# Altium PCB fMAX_MB.PcbDoc (part 13 of 13)
Units mil, origin at the board's own origin, x right, y up, seen from the top; angles counter-clockwise.
Board outline 9175 x 6300 mil, 14 copper layers (TopLayer, Gnd1, MidLayer1, Power1, MidLayer4, Power2, MidLayer2, Power3, MidLayer3, Gnd3, MidLayer6, Gnd2, MidLayer5, BottomLayer); 679 components, 896 nets, 4133 pads, 2341 vias.
Unrouted connection lines stored in the file: 4.
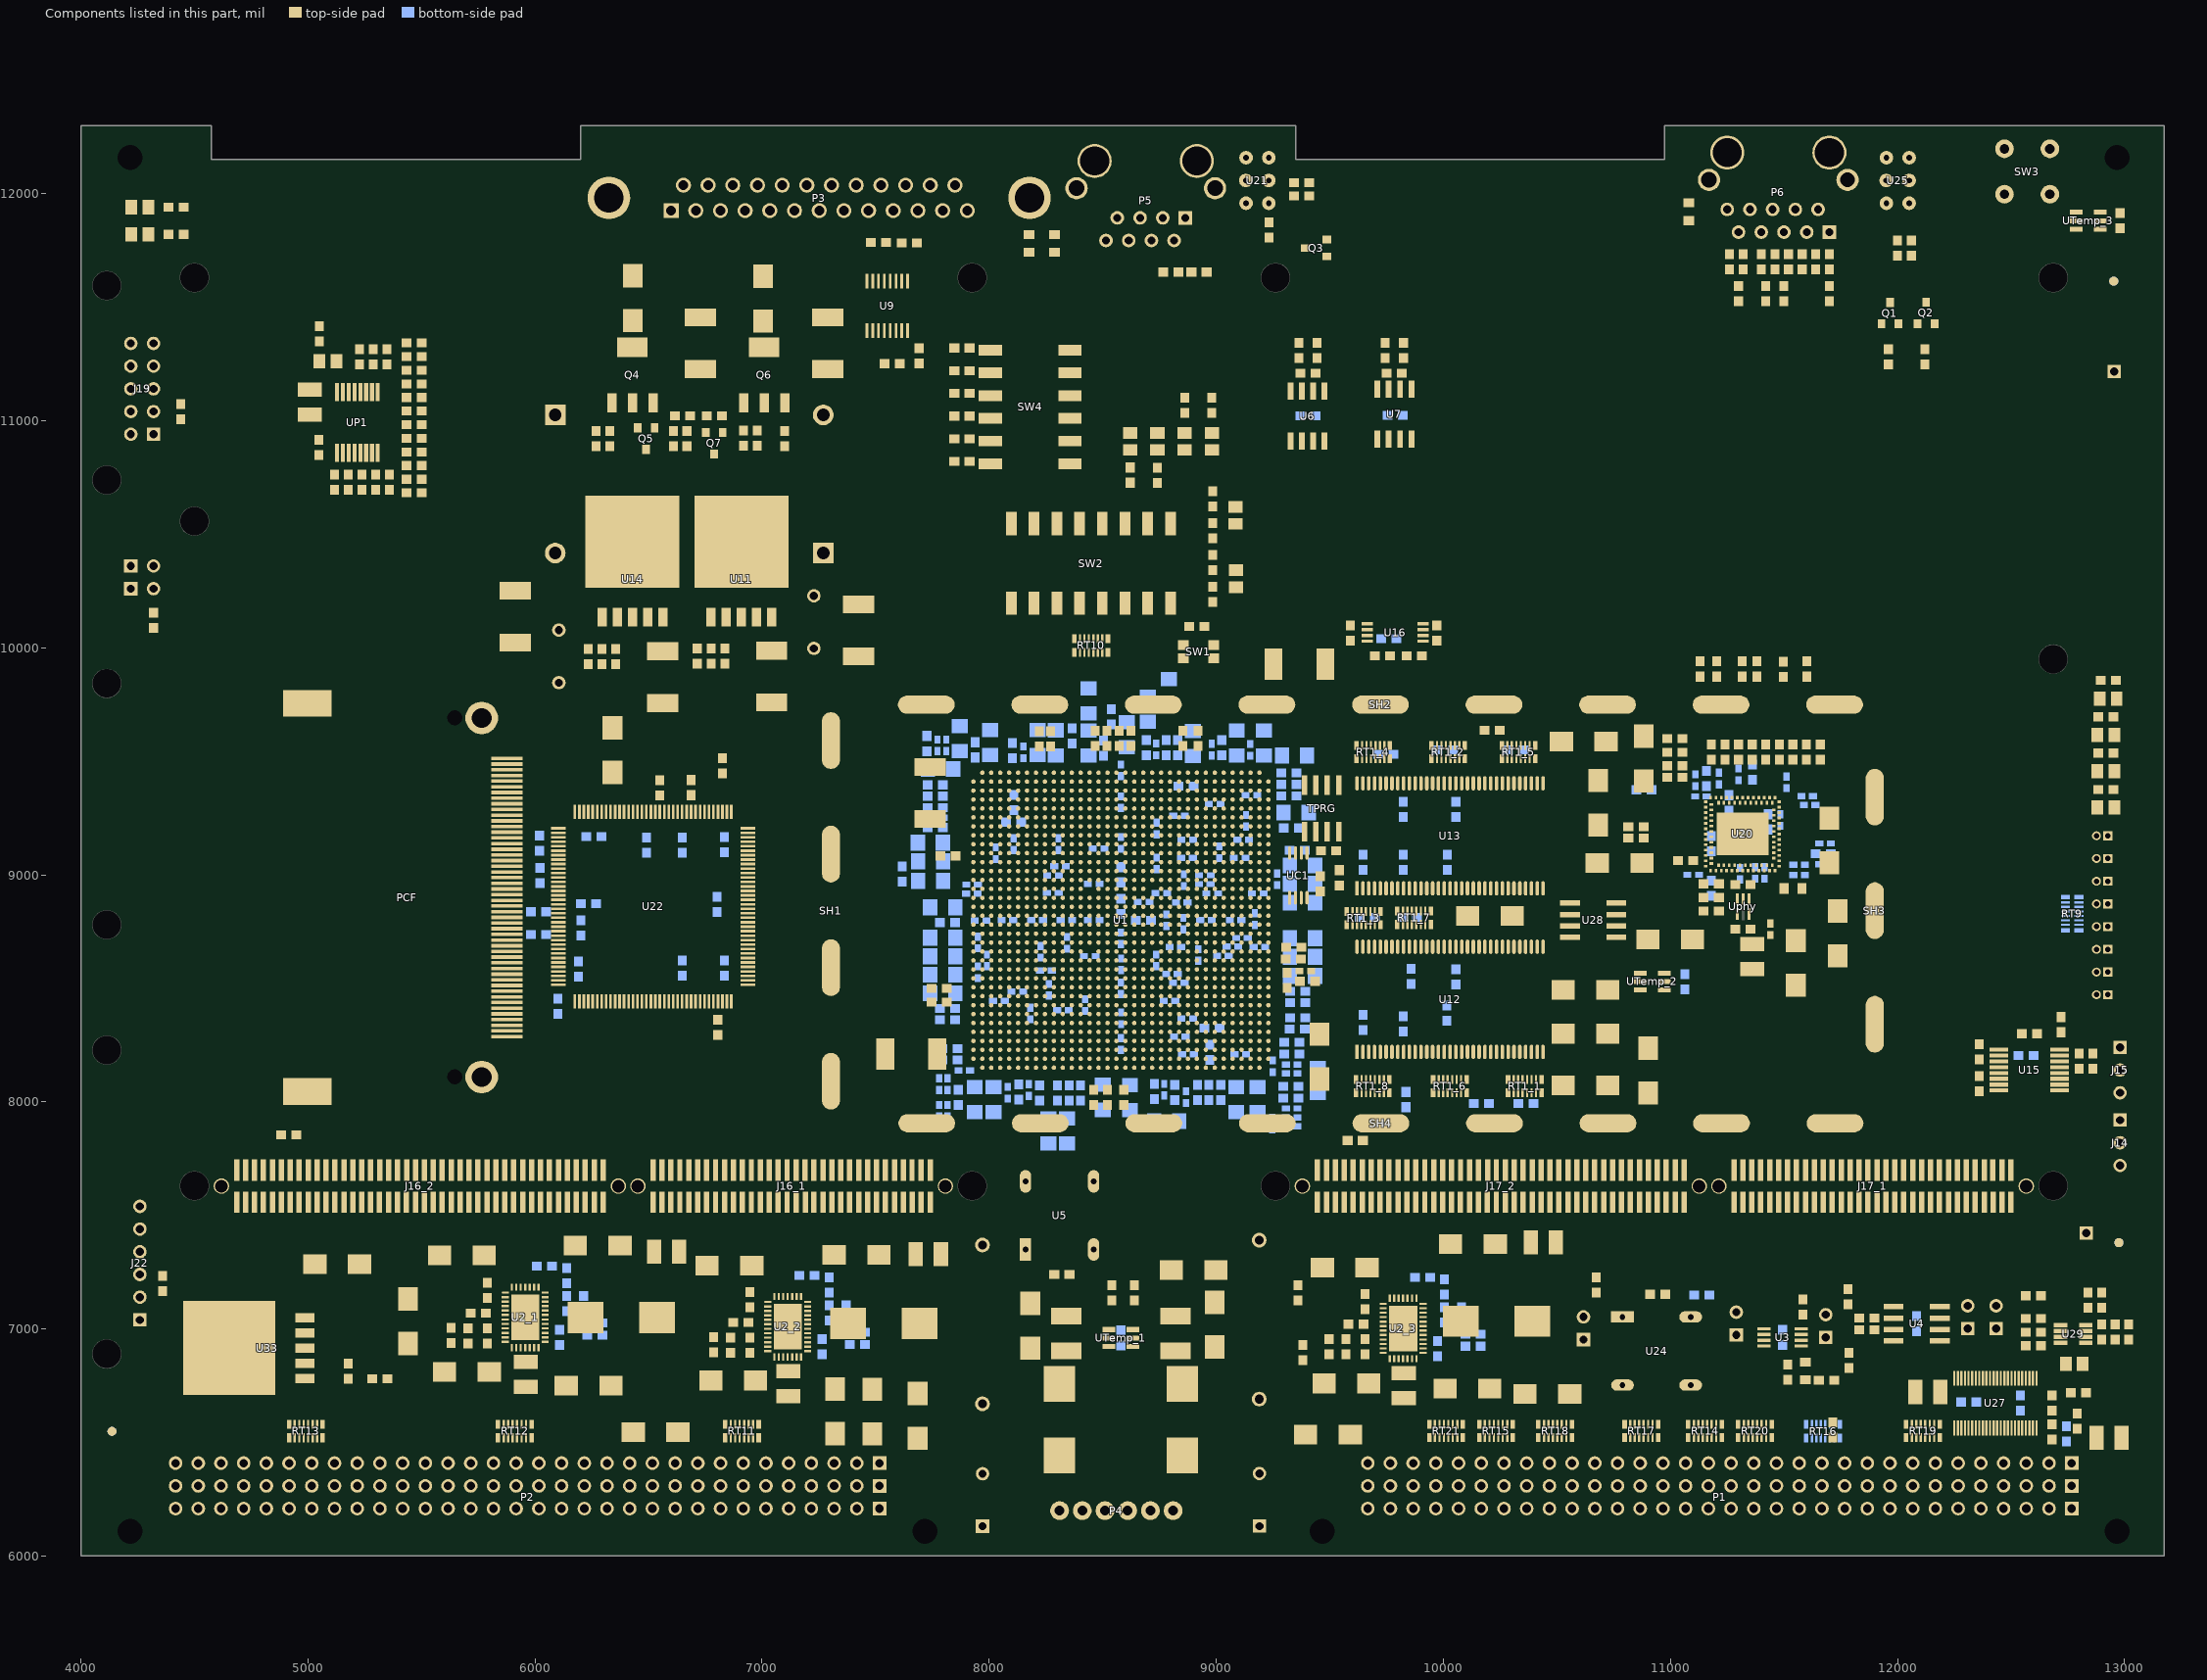
[diagram p25: the components of this part, seen from the top]

## Silkscreen, mask and mechanical layers (free items; w line width, h text height) (continued)
BottomOverlay:
  text "PROG" at 12390,12110 h40
  text "Mezzanine Module I" at 5865,12000 h60
  text "Mezzanine Module II" at 10830,12000 h60
  text "LEDs:" at 12330,11990 h40
  text "Power Good (G)" at 9895,11910 h40
  text "LEDs:" at 10105,11905 h40
  text "FPGA INIT (R)" at 12540,11905 h35
  text "ETHERNET RX (G)" at 9895,11845 h40
  text "LIT TO SLAVE (Y)" at 12535,11830 h35
  text "SQUID CTRL" at 7160,11805 h40
  text "ETHERNET TX (G)" at 9895,11775 h40
  text "PROG DONE (G)" at 12525,11760 h35
  text "ETHERNET" at 11460,11710 h40
  text "SERIAL COMM" at 8880,11685 h40
  text "McGill Digital fMUX FPGA Motherboard" at 12185,10685 h80
  text "Rev. 3 - Made in CANADA - September 2007, Montreal" at 12185,10565 h60
  text "< matt.dobbs@mcgill.ca >" at 10925,10455 h40
  text "M.Dobbs, McGill University" at 12185,10455 h60
  text "< starinsky@lps.umontreal.ca >" at 10505,10350 h40
  text "N.Starinski, University of Montreal" at 12180,10350 h60
TopPaste:
  text ".GTP" at 12886,12449 h40
BottomPaste:
  text ".GBP" at 12886,12449 h40
TopSolder:
  text ".GTS" at 12886,12449 h40
BottomSolder:
  text ".GBS" at 12886,12449 h40
Mechanical1:
  lines w20: 4574,12299 3999,12299 3999,6000 13185,6000 13185,12300 10975,12300 10975,12150 9350,12150 9350,12300 ; 4575,12299 4575,12150 6200,12150 6200,12300 9349,12300
DrillDrawing:
  text ".LEGEND" at 13392,6134 h40
  text "Drilling Details." at 13392,5984 h40

## Text inside footprints (layer, text, board x,y; h text height)
J19: TopOverlay "2" at 4240,10840 h40 r90; TopOverlay "1" at 4340,10860 h40 r90; TopOverlay "9" at 4340,11400 h40 r90; TopOverlay "10" at 4240,11400 h40 r90
P1: TopOverlay "C" at 12817,6421.5 h40 r270; TopOverlay "B" at 12817,6346.5 h40 r270; TopOverlay "A" at 12817,6271.5 h40 r270; TopOverlay "C" at 9554.5,6421.5 h40 r270; TopOverlay "B" at 9554.5,6334 h40 r270; TopOverlay "A" at 9554.5,6259 h40 r270; TopOverlay "32" at 9617,6059 h40; TopOverlay "1" at 12754.5,6059 h40
P2: TopOverlay "1" at 7504.5,6059 h40; TopOverlay "32" at 4367,6059 h40; TopOverlay "A" at 4304.5,6259 h40 r270; TopOverlay "B" at 4304.5,6334 h40 r270; TopOverlay "C" at 4304.5,6421.5 h40 r270; TopOverlay "A" at 7567,6271.5 h40 r270; TopOverlay "B" at 7567,6346.5 h40 r270; TopOverlay "C" at 7567,6421.5 h40 r270
P3: TopOverlay "1" at 6589.42,11784.96 h40; TopOverlay "13" at 7859.38,11784.96 h40; TopOverlay "14" at 6609.32,12158.98 h40; TopOverlay "25" at 7800.11,12158.98 h40
PCF: TopOverlay "50" at 5965.98,8336.71 h59.06 r270; TopOverlay "1" at 5965.98,9522.34 h59.06 r270; TopOverlay "38" at 5965.98,8935.73 h59.06 r270
SW2: TopOverlay "8" at 8740,10173 h40; TopOverlay "7" at 8638,10173 h40; TopOverlay "ON" at 7978,10515.8 h40; TopOverlay "1" at 8054.06,10172.89 h40; TopOverlay "2" at 8137,10173 h40; TopOverlay "3" at 8237,10173 h40; TopOverlay "4" at 8338,10173 h40; TopOverlay "5" at 8437,10173 h40; TopOverlay "6" at 8537,10173 h40
SW4: TopOverlay "ON" at 8045,11360 h39.37 r90; TopOverlay "1" at 8378.11,10766.06 h31.5 r90; TopOverlay "2" at 8378.11,10857.6 h31.5 r90; TopOverlay "3" at 8378.11,10956.02 h31.5 r90; TopOverlay "4" at 8378.11,11059.37 h31.5 r90; TopOverlay "5" at 8378.11,11158.78 h31.5 r90; TopOverlay "6" at 8378.11,11261.14 h31.5 r90